# Altium PCB PCB1.PcbDoc (part 4 of 15) (continued)
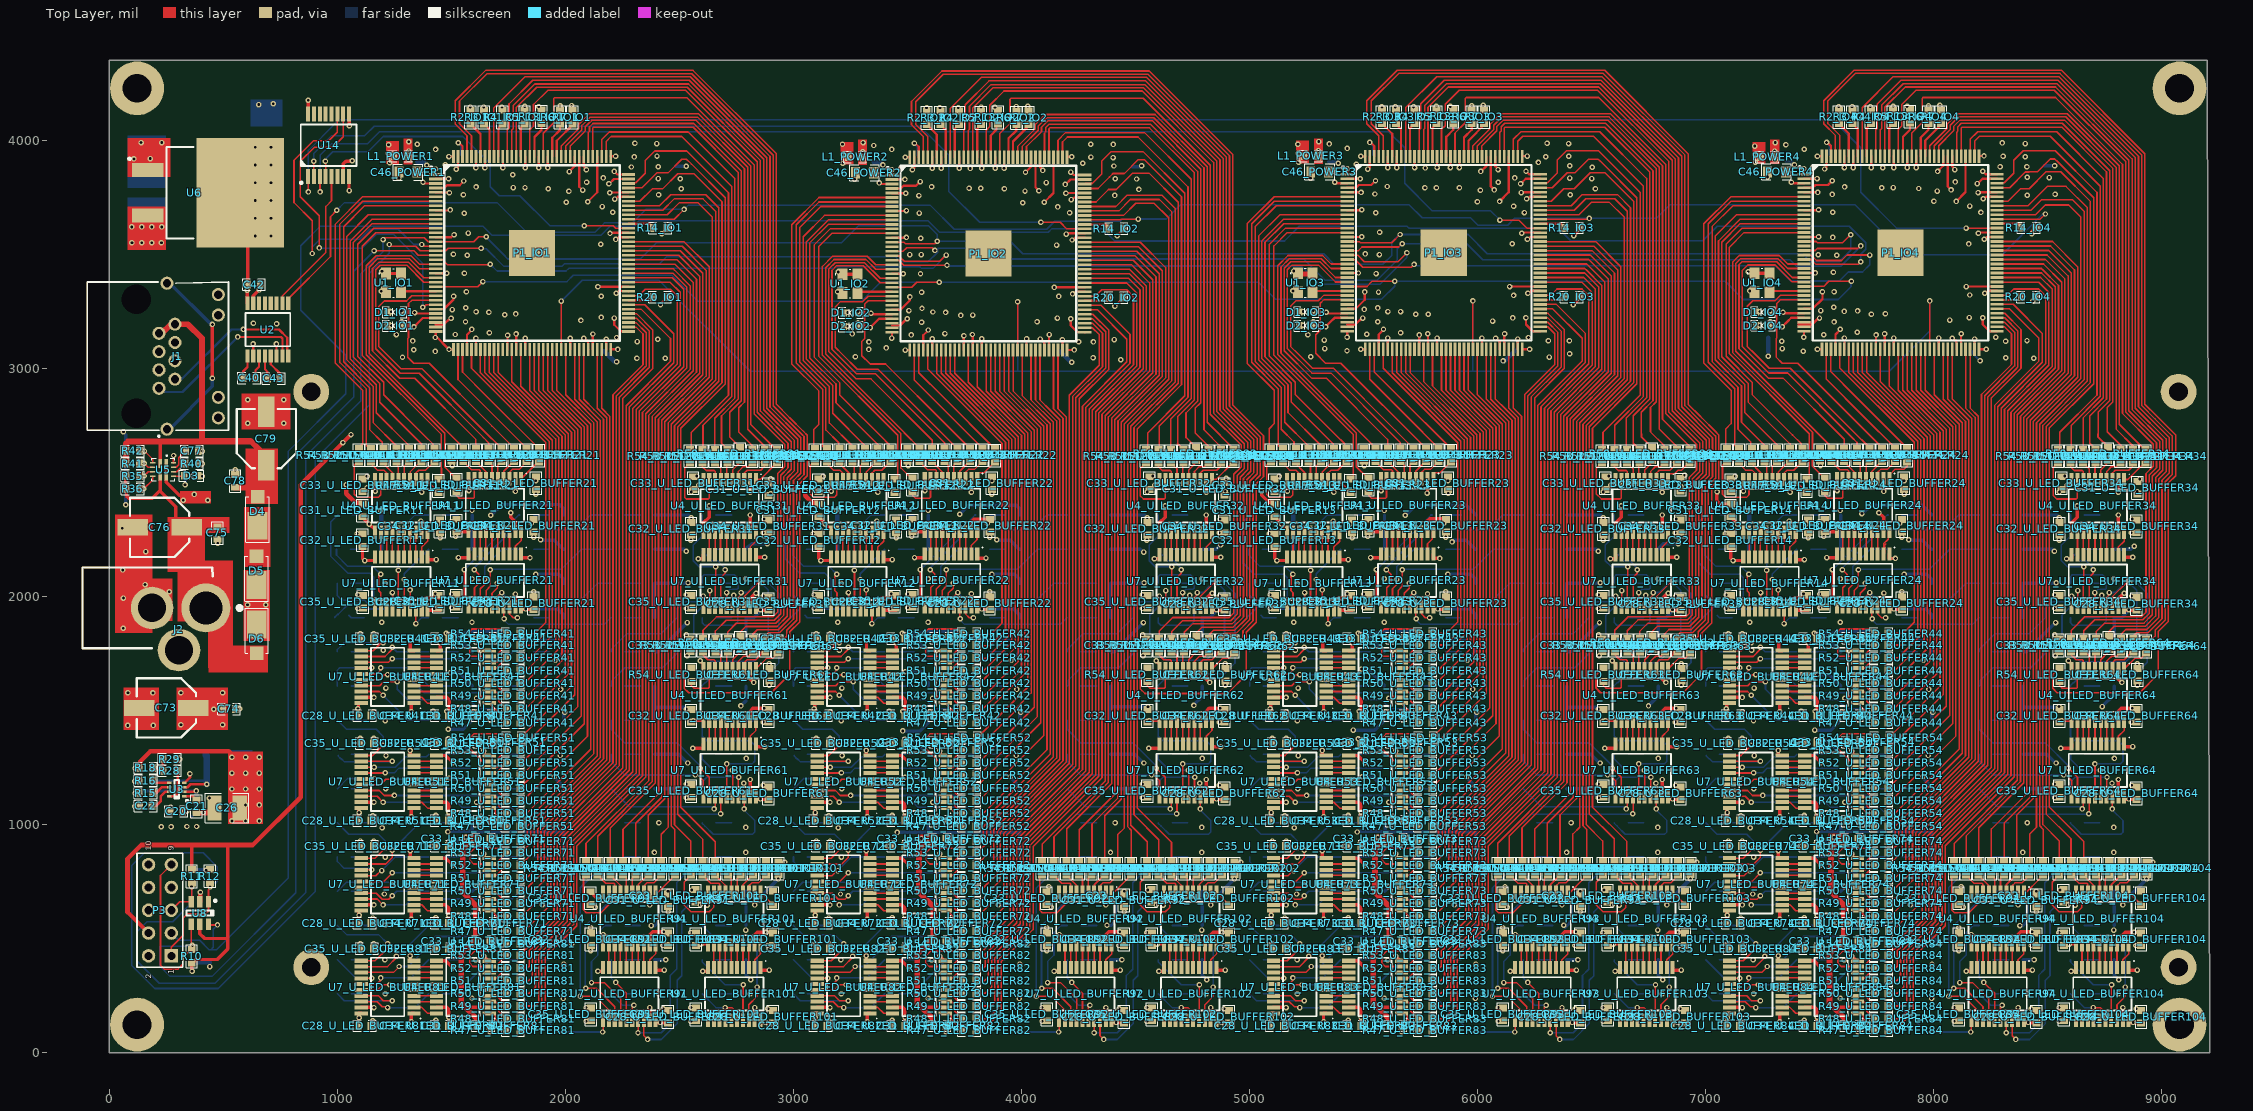
[diagram p0: Top Layer view]
## Nets (pads, with @x,y where several pads share a name; then routed paths per layer and width w, separated by ;. In a path a pad name is that pad's centre, name@x,y a point inside that pad or via, vN(x,y) a via of type N, cw(c..) or ccw(c..) an arc to the next point about the centre after c; other vN are vias at no path point) (continued)
  Top Layer w12: U3.4@329.22,1183.23 331.25,1183.23 353.57,1205.55 v1(353.57,1222.55)
  Top Layer w15: U2.15@631.36,3285.63 631.36,3318.89 662.3,3349.82 C42.1@662.3,3367.07 ; U14.8@1051.4,3841.16 1051.37,3841.12 1051.37,3781.25 v1(1052.74,3779.88) ; U14.9@1051.4,4115.81 1051.4,4105.14 1053.24,4103.31 v1(1053.24,4063.78) ; U7_U_LED_BUFFER81.19@1104.96,197.6 1160.2,197.6 v1(1160.63,197.16) ; U7_U_LED_BUFFER71.19@1104.96,647.6 1160.2,647.6 v1(1160.63,647.16) ; U7_U_LED_BUFFER51.19@1104.96,1097.6 1160.2,1097.6 v1(1160.63,1097.16) ; U7_U_LED_BUFFER41.19@1104.96,1557.6 1160.2,1557.6 v1(1160.63,1557.16) ; C32_U_LED_BUFFER11.2@1110.63,2219.61 1110.63,2167.53 v1(1120.68,2157.48) 1165.53,2157.48 U7_U_LED_BUFFER11.10@1165.53,2173.15 ; C31_U_LED_BUFFER11.1@1110.63,2357.16 1110.63,2347.16 v1(1140.63,2317.16) 1165.47,2292.32 U4_U_LED_BUFFER11.11@1165.47,2281.5 ; v1(1319.25,424.64) 1319.25,403.71 1320.63,402.32 U7_U_LED_BUFFER81.10@1336.3,402.32 ; v1(1319.25,1324.64) 1319.25,1303.71 1320.63,1302.32 U7_U_LED_BUFFER51.10@1336.3,1302.32 ; v1(1319.78,885.54) 1319.78,854.23 1319.25,853.71 1320.63,852.32 U7_U_LED_BUFFER71.10@1336.3,852.32 ; v1(1320.63,1807.16) 1320.63,1762.32 U7_U_LED_BUFFER41.10@1336.3,1762.32 ; v1(1324.89,134.06) 1324.89,170.65 1326.25,172.01 U7_U_LED_BUFFER81.1@1336.3,172.01 ; v1(1324.89,584.06) 1324.89,620.65 1326.25,622.01 U7_U_LED_BUFFER71.1@1336.3,622.01 ; v1(1324.89,1034.06) 1324.89,1070.65 1326.25,1072.01 U7_U_LED_BUFFER51.1@1336.3,1072.01 ; v1(1324.89,1494.06) 1324.89,1530.65 1326.25,1532.01 U7_U_LED_BUFFER41.1@1336.3,1532.01 ; U7_U_LED_BUFFER11.19@1370.25,1941.81 1371.61,1943.17 1371.61,1977.82 1388.52,1994.72 C28_U_LED_BUFFER11.2@1450.63,1994.72 ; U7_U_LED_BUFFER11.1@1395.84,2173.15 1395.84,2163.09 1397.2,2161.73 v1(1433.79,2161.73) ; C32_U_LED_BUFFER41.2@1433.82,1815.53 1450.63,1798.72 v1(1450.63,1797.16) 1450.63,1762.32 U4_U_LED_BUFFER41.11@1434.96,1762.32 ; U4_U_LED_BUFFER81.11@1434.96,402.32 1475.96,402.32 1505.45,372.83 v1(1505.45,370.88) ; U4_U_LED_BUFFER71.11@1434.96,852.32 1475.96,852.32 1505.45,822.83 v1(1505.45,820.88) ; U4_U_LED_BUFFER51.11@1434.96,1302.32 1475.96,1302.32 1505.45,1272.83 v1(1505.45,1270.88) ; C32_U_LED_BUFFER21.2@1522.87,2283.69 1574.93,2283.69 U4_U_LED_BUFFER21.11@1576.07,2284.83 ; v1(1531.23,2170.5) 1576.07,2170.5 U7_U_LED_BUFFER21.10@1576.07,2186.17 ; C31_U_LED_BUFFER81.1@1668.19,117.16 1668.26,117.1 1668.26,90.73 v1(1668.33,90.67) ; C31_U_LED_BUFFER71.1@1678.19,567.16 1685.67,559.69 1685.67,550.64 v1(1687.39,548.92) ; U7_U_LED_BUFFER21.19@1780.79,1954.83 1780.79,2010.07 v1(1781.23,2010.5) ; U7_U_LED_BUFFER21.1@1806.39,2186.17 1806.39,2176.12 1813.13,2169.37 v1(1845.03,2169.37) ; v1(2143.16,355.78) 2164.09,355.78 2165.47,357.16 U7_U_LED_BUFFER91.10@2165.47,372.83 ; U4_U_LED_BUFFER91.11@2165.47,471.5 v1@2165.48,512.97 ; U7_U_LED_BUFFER91.19@2370.2,141.5 2370.2,196.73 v1(2370.63,197.16) ; U7_U_LED_BUFFER91.1@2395.79,372.83 2395.79,362.78 2397.15,361.42 v1(2433.73,361.42) ; C31_U_LED_BUFFER91.1@2450.63,694.72 v1(2450.63,707.16) ; v1(2558.25,1334.08) 2602.39,1334.08 2605.47,1337.16 U7_U_LED_BUFFER61.10@2605.47,1352.83 ; v1(2561.18,1454.42) 2561.18,1455.73 2562.49,1457.04 2604.12,1457.04 2605.47,1455.68 U4_U_LED_BUFFER61.11@2605.47,1451.5 ; v1(2583.16,2165.78) 2604.09,2165.78 2605.47,2167.16 U7_U_LED_BUFFER31.10@2605.47,2182.83 ; v1(2594.83,475.33) 2596.54,477.04 2624.12,477.04 2625.47,475.68 U4_U_LED_BUFFER101.11@2625.47,471.5 ; v1(2603.16,355.78) 2624.09,355.78 2625.47,357.16 U7_U_LED_BUFFER101.10@2625.47,372.83 ; U4_U_LED_BUFFER31.11@2605.47,2281.5 2605.47,2322.49 2630.63,2347.65 v1(2630.63,2397.16) ; U7_U_LED_BUFFER61.19@2810.2,1121.5 2810.63,1121.93 v1(2810.63,1197.16) ; U7_U_LED_BUFFER31.19@2810.2,1951.5 2810.2,1991.33 2831.2,2012.33 2835.07,2012.33 v1(2836.42,2013.69) ; U7_U_LED_BUFFER101.19@2830.2,141.5 2830.2,196.73 v1(2830.63,197.16) ; U7_U_LED_BUFFER61.1@2835.79,1352.83 2835.79,1342.78 2837.15,1341.42 v1(2873.73,1341.42) ; U7_U_LED_BUFFER31.1@2835.79,2182.83 2835.79,2172.78 2837.15,2171.42 v1(2873.73,2171.42) ; U7_U_LED_BUFFER101.1@2855.79,372.83 2855.79,362.78 2857.15,361.42 v1(2893.73,361.42) ; v1(2893.24,1704.94) 2894.16,1704.02 2894.16,1685.64 C31_U_LED_BUFFER61.1@2895.08,1684.72 ; C31_U_LED_BUFFER101.1@2935.08,834.72 2935.14,834.79 2961.51,834.79 v1(2961.57,834.86) ; U7_U_LED_BUFFER82.19@3104.96,197.6 3160.2,197.6 v1(3160.63,197.16) ; U7_U_LED_BUFFER72.19@3104.96,647.6 3160.2,647.6 v1(3160.63,647.16) ; U7_U_LED_BUFFER52.19@3104.96,1097.6 3160.2,1097.6 v1(3160.63,1097.16) ; U7_U_LED_BUFFER42.19@3104.96,1557.6 3160.2,1557.6 v1(3160.63,1557.16) ; C32_U_LED_BUFFER12.2@3110.63,2219.61 3110.63,2167.53 v1(3120.68,2157.48) 3165.53,2157.48 U7_U_LED_BUFFER12.10@3165.53,2173.15 ; C31_U_LED_BUFFER12.1@3110.63,2357.16 3110.63,2347.16 v1(3140.63,2317.16) 3165.47,2292.32 U4_U_LED_BUFFER12.11@3165.47,2281.5 ; v1(3319.25,424.64) 3319.25,403.71 3320.63,402.32 U7_U_LED_BUFFER82.10@3336.3,402.32 ; v1(3319.25,1324.64) 3319.25,1303.71 3320.63,1302.32 U7_U_LED_BUFFER52.10@3336.3,1302.32 ; v1(3319.78,885.54) 3319.78,854.23 3319.25,853.71 3320.63,852.32 U7_U_LED_BUFFER72.10@3336.3,852.32 ; v1(3320.63,1807.16) 3320.63,1762.32 U7_U_LED_BUFFER42.10@3336.3,1762.32 ; v1(3324.89,134.06) 3324.89,170.65 3326.25,172.01 U7_U_LED_BUFFER82.1@3336.3,172.01 ; v1(3324.89,584.06) 3324.89,620.65 3326.25,622.01 U7_U_LED_BUFFER72.1@3336.3,622.01 ; v1(3324.89,1034.06) 3324.89,1070.65 3326.25,1072.01 U7_U_LED_BUFFER52.1@3336.3,1072.01 ; v1(3324.89,1494.06) 3324.89,1530.65 3326.25,1532.01 U7_U_LED_BUFFER42.1@3336.3,1532.01 ; U7_U_LED_BUFFER12.19@3370.25,1941.81 3371.61,1943.17 3371.61,1977.82 3388.52,1994.72 C28_U_LED_BUFFER12.2@3450.63,1994.72 ; U7_U_LED_BUFFER12.1@3395.84,2173.15 3395.84,2163.09 3397.2,2161.73 v1(3433.79,2161.73) ; C32_U_LED_BUFFER42.2@3433.82,1815.53 3450.63,1798.72 v1(3450.63,1797.16) 3450.63,1762.32 U4_U_LED_BUFFER42.11@3434.96,1762.32 ; U4_U_LED_BUFFER82.11@3434.96,402.32 3475.96,402.32 3505.45,372.83 v1(3505.45,370.88) ; U4_U_LED_BUFFER72.11@3434.96,852.32 3475.96,852.32 3505.45,822.83 v1(3505.45,820.88) ; U4_U_LED_BUFFER52.11@3434.96,1302.32 3475.96,1302.32 3505.45,1272.83 v1(3505.45,1270.88) ; C32_U_LED_BUFFER22.2@3522.87,2283.69 3574.93,2283.69 U4_U_LED_BUFFER22.11@3576.07,2284.83 ; v1(3531.23,2170.5) 3576.07,2170.5 U7_U_LED_BUFFER22.10@3576.07,2186.17 ; C31_U_LED_BUFFER82.1@3668.19,117.16 3668.26,117.1 3668.26,90.73 v1(3668.33,90.67) ; C31_U_LED_BUFFER72.1@3678.19,567.16 3685.67,559.69 3685.67,550.64 v1(3687.39,548.92) ; v1@3780,2010 3780.77,2009.23 U7_U_LED_BUFFER22.19@3780.77,1954.86 ; U7_U_LED_BUFFER22.1@3806.39,2186.17 3806.39,2169.47 3807.74,2168.11 v1(3844.68,2168.11) ; v1(4143.16,355.78) 4164.09,355.78 4165.47,357.16 U7_U_LED_BUFFER92.10@4165.47,372.83 ; U4_U_LED_BUFFER92.11@4165.47,471.5 v1@4165.48,512.97 ; U7_U_LED_BUFFER92.19@4370.2,141.5 4370.2,196.73 v1(4370.63,197.16) ; U7_U_LED_BUFFER92.1@4395.79,372.83 4395.79,362.78 4397.15,361.42 v1(4433.73,361.42) ; C31_U_LED_BUFFER92.1@4450.63,694.72 v1(4450.63,707.16) ; v1(4558.25,1334.08) 4602.39,1334.08 4605.47,1337.16 U7_U_LED_BUFFER62.10@4605.47,1352.83 ; v1(4561.18,1454.42) 4561.18,1455.73 4562.49,1457.04 4604.12,1457.04 4605.47,1455.68 U4_U_LED_BUFFER62.11@4605.47,1451.5 ; v1(4583.16,2165.78) 4604.09,2165.78 4605.47,2167.16 U7_U_LED_BUFFER32.10@4605.47,2182.83 ; v1(4594.83,475.33) 4596.54,477.04 4624.12,477.04 4625.47,475.68 U4_U_LED_BUFFER102.11@4625.47,471.5 ; v1(4603.16,355.78) 4624.09,355.78 4625.47,357.16 U7_U_LED_BUFFER102.10@4625.47,372.83 ; U4_U_LED_BUFFER32.11@4605.47,2281.5 4605.47,2322.49 4630.63,2347.65 v1(4630.63,2397.16) ; U7_U_LED_BUFFER62.19@4810.2,1121.5 4810.63,1121.93 v1(4810.63,1197.16) ; U7_U_LED_BUFFER32.19@4810.2,1951.5 4810.2,1991.33 4831.2,2012.33 4835.07,2012.33 v1(4836.42,2013.69) ; U7_U_LED_BUFFER102.19@4830.2,141.5 4830.2,196.73 v1(4830.63,197.16) ; U7_U_LED_BUFFER62.1@4835.79,1352.83 4835.79,1342.78 4837.15,1341.42 v1(4873.73,1341.42) ; U7_U_LED_BUFFER32.1@4835.79,2182.83 4835.79,2172.78 4837.15,2171.42 v1(4873.73,2171.42) ; U7_U_LED_BUFFER102.1@4855.79,372.83 4855.79,362.78 4857.15,361.42 v1(4893.73,361.42) ; v1(4893.24,1704.94) 4894.16,1704.02 4894.16,1685.64 C31_U_LED_BUFFER62.1@4895.08,1684.72 ; U7_U_LED_BUFFER83.19@5104.96,197.6 5160.2,197.6 v1(5160.63,197.16) ; U7_U_LED_BUFFER73.19@5104.96,647.6 5160.2,647.6 v1(5160.63,647.16) ; U7_U_LED_BUFFER53.19@5104.96,1097.6 5160.2,1097.6 v1(5160.63,1097.16) ; U7_U_LED_BUFFER43.19@5104.96,1557.6 5160.2,1557.6 v1(5160.63,1557.16) ; C32_U_LED_BUFFER13.2@5110.63,2219.61 5110.63,2167.53 v1(5120.68,2157.48) 5165.53,2157.48 U7_U_LED_BUFFER13.10@5165.53,2173.15 ; C31_U_LED_BUFFER13.1@5110.63,2357.16 5110.63,2347.16 v1(5140.63,2317.16) 5165.47,2292.32 U4_U_LED_BUFFER13.11@5165.47,2281.5 ; v1(5319.25,424.64) 5319.25,403.71 5320.63,402.32 U7_U_LED_BUFFER83.10@5336.3,402.32 ; v1(5319.25,1324.64) 5319.25,1303.71 5320.63,1302.32 U7_U_LED_BUFFER53.10@5336.3,1302.32 ; v1(5319.78,885.54) 5319.78,854.23 5319.25,853.71 5320.63,852.32 U7_U_LED_BUFFER73.10@5336.3,852.32 ; v1(5320.63,1807.16) 5320.63,1762.32 U7_U_LED_BUFFER43.10@5336.3,1762.32 ; v1(5324.89,134.06) 5324.89,170.65 5326.25,172.01 U7_U_LED_BUFFER83.1@5336.3,172.01 ; v1(5324.89,584.06) 5324.89,620.65 5326.25,622.01 U7_U_LED_BUFFER73.1@5336.3,622.01 ; v1(5324.89,1034.06) 5324.89,1070.65 5326.25,1072.01 U7_U_LED_BUFFER53.1@5336.3,1072.01 ; v1(5324.89,1494.06) 5324.89,1530.65 5326.25,1532.01 U7_U_LED_BUFFER43.1@5336.3,1532.01 ; U7_U_LED_BUFFER13.19@5370.25,1941.81 5371.61,1943.17 5371.61,1977.82 5388.52,1994.72 C28_U_LED_BUFFER13.2@5450.63,1994.72 ; U7_U_LED_BUFFER13.1@5395.84,2173.15 5395.84,2163.09 5397.2,2161.73 v1(5433.79,2161.73) ; C32_U_LED_BUFFER43.2@5433.82,1815.53 5450.63,1798.72 v1(5450.63,1797.16) 5450.63,1762.32 U4_U_LED_BUFFER43.11@5434.96,1762.32 ; U4_U_LED_BUFFER83.11@5434.96,402.32 5475.96,402.32 5505.45,372.83 v1(5505.45,370.88) ; U4_U_LED_BUFFER73.11@5434.96,852.32 5475.96,852.32 5505.45,822.83 v1(5505.45,820.88) ; U4_U_LED_BUFFER53.11@5434.96,1302.32 5475.96,1302.32 5505.45,1272.83 v1(5505.45,1270.88) ; C32_U_LED_BUFFER23.2@5522.87,2283.69 5574.93,2283.69 U4_U_LED_BUFFER23.11@5576.07,2284.83 ; v1(5531.23,2170.5) 5576.07,2170.5 U7_U_LED_BUFFER23.10@5576.07,2186.17 ; C31_U_LED_BUFFER83.1@5668.19,117.16 5668.26,117.1 5668.26,90.73 v1(5668.33,90.67) ; C31_U_LED_BUFFER73.1@5678.19,567.16 5685.67,559.69 5685.67,550.64 v1(5687.39,548.92) ; v1@5780,2010 5780,1955.63 U7_U_LED_BUFFER23.19@5780.79,1954.83 ; U7_U_LED_BUFFER23.1@5806.39,2186.17 5806.39,2167.93 5807.74,2166.58 5833.81,2166.58 v1@5834.38,2166.01 ; v1(6143.16,355.78) 6164.09,355.78 6165.47,357.16 U7_U_LED_BUFFER93.10@6165.47,372.83 ; U4_U_LED_BUFFER93.11@6165.47,471.5 v1@6165.48,512.97 ; U7_U_LED_BUFFER93.19@6370.2,141.5 6370.2,196.73 v1(6370.63,197.16) ; U7_U_LED_BUFFER93.1@6395.79,372.83 6395.79,362.78 6397.15,361.42 v1(6433.73,361.42) ; C31_U_LED_BUFFER93.1@6450.63,694.72 v1(6450.63,707.16) ; v1(6558.25,1334.08) 6602.39,1334.08 6605.47,1337.16 U7_U_LED_BUFFER63.10@6605.47,1352.83 ; v1(6561.18,1454.42) 6561.18,1455.73 6562.49,1457.04 6604.12,1457.04 6605.47,1455.68 U4_U_LED_BUFFER63.11@6605.47,1451.5 ; v1(6583.16,2165.78) 6604.09,2165.78 6605.47,2167.16 U7_U_LED_BUFFER33.10@6605.47,2182.83 ; v1(6594.83,475.33) 6596.54,477.04 6624.12,477.04 6625.47,475.68 U4_U_LED_BUFFER103.11@6625.47,471.5 ; v1(6603.16,355.78) 6624.09,355.78 6625.47,357.16 U7_U_LED_BUFFER103.10@6625.47,372.83 ; U4_U_LED_BUFFER33.11@6605.47,2281.5 6605.47,2322.49 6630.63,2347.65 v1(6630.63,2397.16) ; U7_U_LED_BUFFER63.19@6810.2,1121.5 6810.63,1121.93 v1(6810.63,1197.16) ; U7_U_LED_BUFFER33.19@6810.2,1951.5 6810.2,1991.33 6831.2,2012.33 6835.07,2012.33 v1(6836.42,2013.69) ; U7_U_LED_BUFFER103.19@6830.2,141.5 6830.2,196.73 v1(6830.63,197.16) ; U7_U_LED_BUFFER63.1@6835.79,1352.83 6835.79,1342.78 6837.15,1341.42 v1(6873.73,1341.42) ; U7_U_LED_BUFFER33.1@6835.79,2182.83 6835.79,2172.78 6837.15,2171.42 v1(6873.73,2171.42) ; U7_U_LED_BUFFER103.1@6855.79,372.83 6855.79,362.78 6857.15,361.42 v1(6893.73,361.42) ; v1(6893.24,1704.94) 6894.16,1704.02 6894.16,1685.64 C31_U_LED_BUFFER63.1@6895.08,1684.72 ; U7_U_LED_BUFFER84.19@7104.96,197.6 7160.2,197.6 v1(7160.63,197.16) ; U7_U_LED_BUFFER74.19@7104.96,647.6 7160.2,647.6 v1(7160.63,647.16) ; U7_U_LED_BUFFER54.19@7104.96,1097.6 7160.2,1097.6 v1(7160.63,1097.16) ; U7_U_LED_BUFFER44.19@7104.96,1557.6 7160.2,1557.6 v1(7160.63,1557.16) ; C32_U_LED_BUFFER14.2@7110.63,2219.61 7110.63,2167.53 v1(7120.68,2157.48) 7165.53,2157.48 U7_U_LED_BUFFER14.10@7165.53,2173.15 ; C31_U_LED_BUFFER14.1@7110.63,2357.16 7110.63,2347.16 v1(7140.63,2317.16) 7165.47,2292.32 U4_U_LED_BUFFER14.11@7165.47,2281.5 ; v1(7319.25,424.64) 7319.25,403.71 7320.63,402.32 U7_U_LED_BUFFER84.10@7336.3,402.32 ; v1(7319.25,1324.64) 7319.25,1303.71 7320.63,1302.32 U7_U_LED_BUFFER54.10@7336.3,1302.32 ; v1(7319.78,885.54) 7319.78,854.23 7319.25,853.71 7320.63,852.32 U7_U_LED_BUFFER74.10@7336.3,852.32 ; v1(7320.63,1807.16) 7320.63,1762.32 U7_U_LED_BUFFER44.10@7336.3,1762.32 ; v1(7324.89,134.06) 7324.89,170.65 7326.25,172.01 U7_U_LED_BUFFER84.1@7336.3,172.01 ; v1(7324.89,584.06) 7324.89,620.65 7326.25,622.01 U7_U_LED_BUFFER74.1@7336.3,622.01 ; v1(7324.89,1034.06) 7324.89,1070.65 7326.25,1072.01 U7_U_LED_BUFFER54.1@7336.3,1072.01 ; v1(7324.89,1494.06) 7324.89,1530.65 7326.25,1532.01 U7_U_LED_BUFFER44.1@7336.3,1532.01 ; U7_U_LED_BUFFER14.19@7370.25,1941.81 7371.61,1943.17 7371.61,1977.82 7388.52,1994.72 C28_U_LED_BUFFER14.2@7450.63,1994.72 ; U7_U_LED_BUFFER14.1@7395.84,2173.15 7395.84,2163.09 7397.2,2161.73 v1(7433.79,2161.73) ; C32_U_LED_BUFFER44.2@7433.82,1815.53 7450.63,1798.72 v1(7450.63,1797.16) 7450.63,1762.32 U4_U_LED_BUFFER44.11@7434.96,1762.32 ; U4_U_LED_BUFFER84.11@7434.96,402.32 7475.96,402.32 7505.45,372.83 v1(7505.45,370.88) ; U4_U_LED_BUFFER74.11@7434.96,852.32 7475.96,852.32 7505.45,822.83 v1(7505.45,820.88) ; U4_U_LED_BUFFER54.11@7434.96,1302.32 7475.96,1302.32 7505.45,1272.83 v1(7505.45,1270.88) ; C32_U_LED_BUFFER24.2@7522.87,2283.69 7574.93,2283.69 U4_U_LED_BUFFER24.11@7576.07,2284.83 ; v1(7531.23,2170.5) 7576.07,2170.5 U7_U_LED_BUFFER24.10@7576.07,2186.17 ; C31_U_LED_BUFFER84.1@7668.19,117.16 7668.26,117.1 7668.26,90.73 v1(7668.33,90.67) ; C31_U_LED_BUFFER74.1@7678.19,567.16 7685.67,559.69 7685.67,550.64 v1(7687.39,548.92) ; U7_U_LED_BUFFER24.19@7780.79,1954.83 7780.79,2013.2 v1(7782.44,2014.84) ; U7_U_LED_BUFFER24.1@7806.39,2186.17 7806.39,2167.89 7807.74,2166.53 7835.46,2166.53 v1@7837.18,2168.25 ; v1(8143.16,355.78) 8164.09,355.78 8165.47,357.16 U7_U_LED_BUFFER94.10@8165.47,372.83 ; U4_U_LED_BUFFER94.11@8165.47,471.5 v1@8165.48,512.97 ; U7_U_LED_BUFFER94.19@8370.2,141.5 8370.2,196.73 v1(8370.63,197.16) ; U7_U_LED_BUFFER94.1@8395.79,372.83 8395.79,362.78 8397.15,361.42 v1(8433.73,361.42) ; C31_U_LED_BUFFER94.1@8450.63,694.72 v1(8450.63,707.16) ; v1(8558.25,1334.08) 8602.39,1334.08 8605.47,1337.16 U7_U_LED_BUFFER64.10@8605.47,1352.83 ; v1(8561.18,1454.42) 8561.18,1455.73 8562.49,1457.04 8604.12,1457.04 8605.47,1455.68 U4_U_LED_BUFFER64.11@8605.47,1451.5 ; v1(8583.16,2165.78) 8604.09,2165.78 8605.47,2167.16 U7_U_LED_BUFFER34.10@8605.47,2182.83 ; v1(8594.83,475.33) 8596.54,477.04 8624.12,477.04 8625.47,475.68 U4_U_LED_BUFFER104.11@8625.47,471.5 ; v1(8603.16,355.78) 8624.09,355.78 8625.47,357.16 U7_U_LED_BUFFER104.10@8625.47,372.83 ; U4_U_LED_BUFFER34.11@8605.47,2281.5 8605.47,2322.49 8630.63,2347.65 v1(8630.63,2397.16) ; U7_U_LED_BUFFER64.19@8810.2,1121.5 8810.63,1121.93 v1(8810.63,1197.16) ; U7_U_LED_BUFFER34.19@8810.2,1951.5 8810.2,1991.33 8831.2,2012.33 8835.07,2012.33 v1(8836.42,2013.69) ; U7_U_LED_BUFFER104.19@8830.2,141.5 8830.2,196.73 v1(8830.63,197.16) ; U7_U_LED_BUFFER64.1@8835.79,1352.83 8835.79,1342.78 8837.15,1341.42 v1(8873.73,1341.42) ; U7_U_LED_BUFFER34.1@8835.79,2182.83 8835.79,2172.78 8837.15,2171.42 v1(8873.73,2171.42) ; U7_U_LED_BUFFER104.1@8855.79,372.83 8855.79,362.78 8857.15,361.42 v1(8893.73,361.42) ; v1(8893.24,1704.94) 8894.16,1704.02 8894.16,1685.64 C31_U_LED_BUFFER64.1@8895.08,1684.72 ; C31_U_LED_BUFFER34.1@8893.67,2504.44 8894.58,2504.44 v1(8904.81,2514.67)
  Top Layer w20: U8.2@397.57,660.68 398.24,661.35 398.24,700.6 399.86,702.22 v1(399.86,703.31)
  Top Layer w25: C21.1@382.82,1052.83 442.02,1052.83 C26.1@461.62,1072.43
  Bottom Layer w10: v1(1529.83,3989.87) 1543.65,3976.05 C9_POWER1.2@1543.65,3936.1 ; v1(3530.93,3987.27) 3544.75,3973.45 C9_POWER2.2@3544.75,3933.5 ; v1(5527.83,3990.72) 5541.65,3976.9 C9_POWER3.2@5541.65,3936.95 ; C2_POWER4.2@7352.39,3906.87 7379.4,3906.87 v1@7390.8,3895.47 ; v1(7530.83,3990.87) 7544.65,3977.05 C9_POWER4.2@7544.65,3937.1 ; C54_POWER4.2@8168.83,3076.75 8168.83,3068.87 v1(8203.83,3033.87)
  Bottom Layer w15: v1(62,2722.06) 62,2720.11 73.04,2709.07 R44.2@73.04,2621.67 ; v1@69.36,2399.65 72.98,2403.27 R39.2@72.98,2471.74 R38.1@72.98,2527.27 R43.1@72.98,2582.81 R44.2@72.98,2638.34
  Bottom Layer w20: C39.1@361.67,397.15 362.89,395.93 440.15,395.93 C37.1@441.37,394.71 ; C38.1@361.77,797.59 362.84,798.66 439.3,798.66 C36.1@440.37,799.73 ; C2_POWER1.2@1351.39,3905.87 1377.05,3905.87 v1@1392.84,3890.08 ; C54_POWER1.2@2167.83,3075.75 2170.55,3075.75 2216.91,3029.38 2224.08,3029.38 v1(2224.85,3028.62) ; C2_POWER2.2@3352.49,3903.27 3379.13,3903.27 v1@3390.33,3892.07 ; C54_POWER2.2@4168.93,3073.15 4171.65,3073.15 4216.86,3027.93 4219.86,3027.93 v1(4220.63,3027.17) ; C2_POWER3.2@5349.39,3906.72 5351.85,3904.26 5383.43,3904.26 5387.13,3900.55 5387.52,3900.55 5388.63,3899.44 v1@5388.63,3899.05 ; v1(6112.36,3032.73) 6112.36,3030.75 6111.96,3030.35 6116.87,3030.35 6163.11,3076.6 C54_POWER3.2@6165.83,3076.6 ; C48_POWER4.2@7275.27,3134.87 7275.27,3074.31 C56_POWER4.1@7275.71,3073.87
  other v1: 1155.37,139.36 3155.37,139.36 5155.37,139.36 7155.37,139.36 1432.71,140.44 3432.71,140.44 5432.71,140.44 7432.71,140.44 2428.44,191.9 2888.44,191.9 4428.44,191.9 4888.44,191.9 6428.44,191.9 6888.44,191.9 8428.44,191.9 8888.44,191.9 2090.63,197.16 2550.63,197.16 4090.63,197.16 4550.63,197.16 6090.63,197.16 6550.63,197.16 8090.63,197.16 8550.63,197.16 2110.63,447.16 4110.63,447.16 6110.63,447.16 8110.63,447.16 1411.75,458.74 3411.75,458.74 5411.75,458.74 7411.75,458.74 2427.36,469.25 2887.36,469.25 4427.36,469.25 4887.36,469.25 6427.36,469.25 6887.36,469.25 8427.36,469.25 8887.36,469.25 1681.55,475.21 3681.55,475.21 5681.55,475.21 7681.55,475.21 1160.63,477.16 3160.63,477.16 5160.63,477.16 7160.63,477.16 2165.48,517.12 4165.48,517.12 6165.48,517.12 8165.48,517.12 1155.37,589.36 3155.37,589.36 5155.37,589.36 7155.37,589.36 1432.71,590.44 3432.71,590.44 5432.71,590.44 7432.71,590.44 2131.1,637.16 4131.1,637.16 6131.1,637.16 8131.1,637.16 2554.32,712.3 4554.32,712.3 6554.32,712.3 8554.32,712.3 424.57,799.37 4961.57,834.86 6961.57,834.86 8961.57,834.86 1412.52,905.31 3412.52,905.31 5412.52,905.31 7412.52,905.31 3688.22,925.45 1160.63,927.16 3160.63,927.16 5160.63,927.16 7160.63,927.16 1689.01,941.26 5689.01,941.26 7689.01,941.26 227.72,989.73 270.92,989.73 3670,1000 1690.63,1017.16 5690.63,1017.16 7690.63,1017.16 1155.37,1039.36 3155.37,1039.36 5155.37,1039.36 7155.37,1039.36 1432.71,1040.44 3432.71,1040.44 5432.71,1040.44 7432.71,1040.44 412.42,1052.83 269.42,1076.43 112.72,1079.53 439.22,1115.63 2868.44,1171.9 4868.44,1171.9 6868.44,1171.9 8868.44,1171.9 2530.63,1177.16 4530.63,1177.16 6530.63,1177.16 8530.63,1177.16 309.35,1287 1412.95,1354.79 3412.95,1354.79 5412.95,1354.79 7412.95,1354.79 1690.63,1367.16 3690.63,1367.16 5690.63,1367.16 7690.63,1367.16 1160.63,1377.16 3160.63,1377.16 5160.63,1377.16 7160.63,1377.16 81.44,1434.47 193.24,1434.47 2867.36,1449.25 4867.36,1449.25 6867.36,1449.25 8867.36,1449.25 1670.63,1457.16 3670.63,1457.16 5670.63,1457.16 7670.63,1457.16 1160.75,1493.35 3160.75,1493.35 5160.75,1493.35 7160.75,1493.35 1420.65,1496.71 3420.65,1496.71 5420.65,1496.71 7420.65,1496.71 572.14,1506.67 191.34,1576.87 82.04,1578.17 1695.3,1816.57 3695.3,1816.57 5695.3,1816.57 7695.3,1816.57 2531.23,1831.84 4531.23,1831.84 6531.23,1831.84 8531.23,1831.84 1160.63,1837.16 3160.63,1837.16 5160.63,1837.16 7160.63,1837.16 61.15,1861 62.15,1993 2868.44,2001.9 4868.44,2001.9 6868.44,2001.9 8868.44,2001.9 1090.63,2007.16 2530.63,2007.16 3090.63,2007.16 4530.63,2007.16 5090.63,2007.16 6530.63,2007.16 7090.63,2007.16 8530.63,2007.16 1501.23,2010.5 3501.23,2010.5 5501.23,2010.5 7501.23,2010.5 5780.85,2011.3 1429.29,2012.3 3429.29,2012.3 3780.75,2012.19 5429.29,2012.3 7429.29,2012.3 1861.23,2020.5 3861.23,2020.5 5861.23,2020.5 7861.23,2020.5 263.15,2021 157.15,2052 59.15,2116 5834.95,2166.58 7833.02,2166.53 160.15,2197 476.24,2232.27 2550.63,2247.16 4550.63,2247.16 6550.63,2247.16 8550.63,2247.16 1450.63,2257.16 3450.63,2257.16 5450.63,2257.16 7450.63,2257.16 1861.23,2260.5 3861.23,2260.5 5861.23,2260.5 7861.23,2260.5 1518.57,2262.88 3518.57,2262.88 5518.57,2262.88 7518.57,2262.88 2867.36,2279.25 4867.36,2279.25 6867.36,2279.25 8867.36,2279.25 57.15,2299 71.98,2402.24 1130.63,2477.16 3130.63,2477.16 5130.63,2477.16 7130.63,2477.16 1870.63,2507.16 3870.63,2507.16 5870.63,2507.16 7870.63,2507.16 2900.89,2515.92 4898.75,2517.63 2575.8,2527.91 4575.8,2527.91 6575.8,2527.91 8575.8,2527.91 6908.78,2532.14 552.29,2554.61 408.68,2581.94 1499.16,2633.63 3499.16,2633.63 5499.16,2633.63 7499.16,2633.63 408.68,2637.34 607.04,2759.97 764.94,2759.97 607.04,2862.17 764.94,2862.17 2314.03,3044.58 4314.23,3046.67 8316.83,3046.87 1285.93,3049.27 6315.13,3049.87 3272.05,3051.56 5268.8,3051.25 7274.83,3053.87 1429.33,3074.57 7428.83,3074.87 5427.83,3077.47 3406.83,3089.77 4315.83,3116.27 4250.63,3117.17 2315.73,3117.87 8315.83,3118.87 6311.13,3121.57 2224.73,3135.57 6223.43,3135.57 8272.83,3136.87 3516.93,3146.67 5256.63,3147.27 1259.13,3148.57 7518.83,3147.87 1517.03,3148.67 5514.13,3149.47 3258.13,3150.97 3238.93,3185.27 1237.83,3187.87 5235.83,3188.72 7238.83,3188.87 733.44,3195.87 3562.33,3201.97 1562.13,3204.57 4068.83,3204.57 5562.43,3204.27 7563.83,3203.87 6066.03,3207.77 2068.53,3210.37 8070.83,3211.87 4157.93,3220.97 6154.23,3221.27 2157.03,3223.57 8156.83,3222.87 3733.53,3232.07 3787.03,3233.77 1734.23,3234.77 5729.33,3237.17 5783.63,3237.67 7727.52,3237.2 1782.13,3238.77 7788.83,3239.87 3238.53,3245.67 3667.23,3245.27 1664.73,3246.77 3612.04,3247.37 1237.43,3248.27 1608.33,3248.97 5235.43,3249.11 5607.23,3249.17 5662.53,3249.17 7238.43,3249.27 7608.83,3249.87 7666.83,3251.87 3564.03,3263.07 5562.43,3265.07 1562.73,3266.07 7562.83,3267.87 4164.2,3315.54 2157.13,3316.87 6158.13,3319.97 8158.83,3321.87 3562.33,3334.47 1566.13,3335.67 5565.93,3334.77 3193.93,3336.27 7563.83,3335.87 1192.83,3338.87 5190.83,3339.72 7193.83,3339.87 3557.53,3414.87 5555.43,3415.97 1557.53,3417.17 7560.83,3421.87 7493.83,3497.87 3510.23,3499.07 1509.13,3500.97 5507.63,3502.17 4154.03,3540.67 2154.73,3544.67 6153.03,3546.27 8154.83,3545.87 1556.43,3680.47 3552.23,3681.27 5554.43,3682.03 4211.13,3682.87 6206.13,3683.57 2208.43,3684.37 8207.83,3683.87 7557.83,3684.87 2161.43,3709.57 6158.43,3710.67 8158.83,3711.87 6000.03,3730.97 3550.73,3757.87 1553.03,3761.47 7555.83,3762.87 8532.83,3763.87 5550.43,3764.77 2015.73,3776.87 4015.73,3777.47 8015.83,3777.87 6012.73,3780.77 4515.54,3784.9 1925.22,3787.44 2508.23,3788.07 3925.62,3788.26 6517.39,3788.21 3770.31,3789.92 3821.93,3789.97 5769.73,3791.67 5820.23,3792.17 7772.83,3791.87 1772.13,3793.07 1823.13,3793.07 7822.83,3792.87 1608.33,3795.67 7609.83,3795.87 3606.23,3796.97 5604.63,3797.67 4109.48,3814.93 2093.03,3816.07 6090.73,3816.57 8094.83,3817.87 3269.13,3829.97 4504.93,3830.57 2504.33,3831.47 6501.46,3832.41 5268.23,3833.37 1270.13,3834.37 8506.83,3836.87 7271.83,3838.87 3470.63,3877.17 7470.03,3881.97 2289.63,3883.17 8291.83,3883.87 1392.53,3890.67 1473.63,3892.17 3392.53,3892.07 7389.83,3892.87 5469.03,3895.57 4268.93,3899.37 5389.37,3899.79 6267.53,3903.07 4401.73,3924.37 8401.83,3927.87 6400.33,3930.31 2401.97,3931.02 1430.98,3960.46 3431.93,3960.07 7432.83,3960.87 5428.63,3964.47 3353.03,3977.47 7352.83,3980.87 4402.55,3982.17 1350.03,3983.17 5350.33,3984.37 2401.43,3986.07 6399.32,3985.84 8402.7,3985.91 3883.93,4145.27 1882.83,4147.87 5880.83,4148.72 7883.83,4148.87 655.58,4156.84 719.61,4160.31
  other v2: 440.5,376.77 632.14,3197.67 658.06,3344.09 4159.53,3707.87 2004.03,3728.67 108.35,3918.81 179.61,3920.31 139.61,3990.31 229.61,3990.31
GPIO_0_IO1: P1_IO1.14 R47_U_LED_BUFFER11.2 | length 1516.2
  Top Layer w7: P1_IO1.14@1431.34,3594.69 1225.08,3594.69 1168.16,3594.69 1109.41,3535.94 1109.41,3057.08 1456.63,2709.85 1456.63,2561.37 1456.96,2561.04 1456.96,2528.39 R47_U_LED_BUFFER11.2@1443.9,2515.34